# Altium PCB smart_mask_v_2_0.PcbDoc (continued)
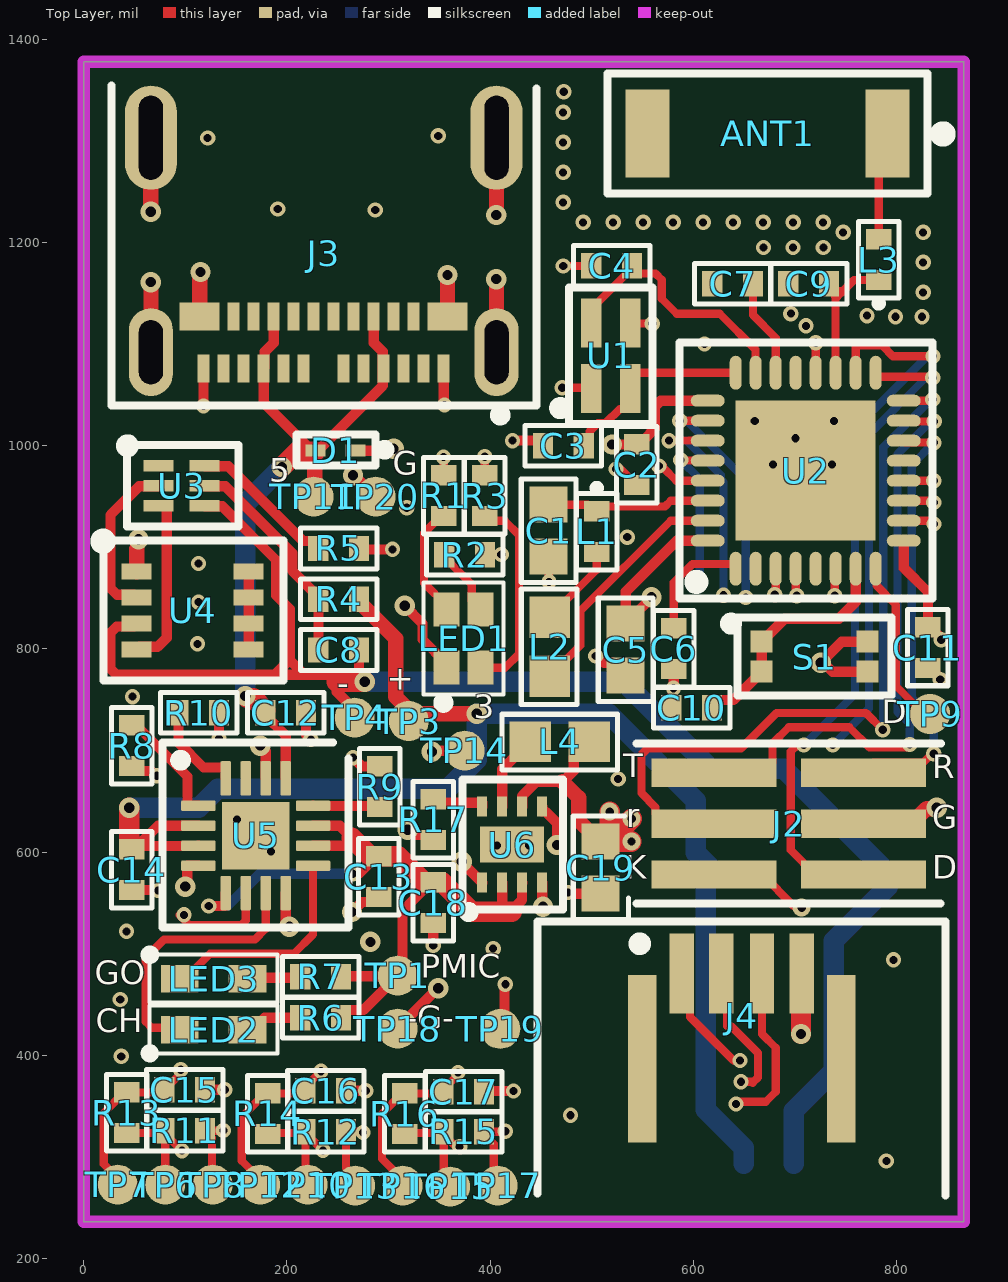
[diagram p0: Top Layer view]
## Footprints (in the part's own frame and the unit in brackets; to place one, negate y for a bottom-side part, rotate by r counter-clockwise, add the part's x,y. Pads: shape width x height; smd on the part's side, far side on the other; paste and mask are expansions set on the pad) (continued)
  rect 1x0.7 smd: B1(3.1,2.47) B12(-3.1,2.47)
  oval 1.1x2.2 hole 0.6 slot 1.6 at 90 deg: S1(-4.32,3.36) S2(4.32,3.36)
  oval 1.3x2.6 hole 0.6 slot 2.1 at 90 deg: S3(-4.32,-2) S4(4.32,-2)
  silkscreen extent -5.33,-3.3 5.3,5.04, body extent -4.47,-4.24 4.47,3.66, height 3.2
XTAL_32MHz_ABM11W-32.0000MHZ-8-B1U-T3 [mil] "CRYSTAL 32.0000MHZ 8PF SMD"
  rect 48x20 smd paste+0 mask+0: 1(-32.32,-19.19) 2(32.32,-19.19) 3(32.32,19.19) 4(-32.32,19.19)
  silkscreen extent -67,-41 67,55, body extent -42,-30 42,30, height 20

## Part data
ANT1: "RF ANT 2.4GHZ CHIP SOLDER SMD", Manufacturer="Johanson Technology Inc.", Supplier Part Number=712-1600-1-ND, ComponentLink1Description="Manufacturer URL", ComponentLink2Description=Datasheet, LINK=https://www.digikey.com/en/products/detail/johanson-technology-inc/2450AT43F0100E/4824788, Manufacturer Part Number=2450AT43F0100E, Price 1 Unit USD=0.84, Price 1000+ Units USD=0.36, Supplier=Digikey
C1: library part "CAP 1uF 0603", "CAP CER 1UF 10V X5R 0603", Manufacturer="Samsung Electro-Mechanics", Manufacturer Part Number=CL10A105KP8NNNC, Package=0603, Supplier Part Number=1276-1182-1-ND, Voltage Rating=16V, LINK=https://www.digikey.com/product-detail/en/samsung-electro-mechanics/CL10A105KP8NNNC/1276-1182-1-ND/3889268, Supplier=Digikey
C2 C6 C8 C10 C11: library part "CAP 100nF 0402", "CAP CER 0.1UF 16V X7R 0402", Manufacturer="Murata Electronics", Manufacturer Part Number=GRM155R71C104KA88J, Package=0402, Supplier Part Number=490-6328-1-ND, Voltage Rating=16V, LINK=https://www.digikey.com/product-detail/en/murata-electronics/GRM155R71C104KA88J/490-6328-1-ND/3845525, Supplier=Digikey
C3 C4: library part "CAP 12pF 0402", "CAP CER 12PF 50V C0G/NP0 0402", Manufacturer="Murata Electronics", Manufacturer Part Number=GRM1555C1H120JA01J, Package=0402, Supplier Part Number=490-11375-1-ND, Voltage Rating=50v, LINK=https://www.digikey.com/product-detail/en/murata-electronics/GRM1555C1H120JA01J/490-11375-1-ND/5333215, Supplier=Digikey
C5: library part "CAP 4.7uF 0603", "CAP CER 4.7UF 10V X5R 0603", Manufacturer="Samsung Electro-Mechanics", Manufacturer Part Number=CL10A475KP8NNNC, Package=0603, Supplier Part Number=1276-1044-1-ND, Voltage Rating=10V, LINK=https://www.digikey.com/product-detail/en/samsung-electro-mechanics/CL10A475KP8NNNC/1276-1044-1-ND/3889130, Supplier=Digikey
C7: library part "CAP 100pF 0402", "CAP CER 100PF 50V C0G/NP0 0402", Manufacturer="Murata Electronics", Manufacturer Part Number=GRM1555C1H101JA01J, Package=0402, Supplier Part Number=490-7754-1-ND, Voltage Rating=50v, LINK=https://www.digikey.com/product-detail/en/murata-electronics/GRM1555C1H101JA01J/490-7754-1-ND/4358006, Supplier=Digikey
C9: library part "CAP 0.8pF 0402", "CAP CER 0.8PF 50V C0G/NP0 0402", Manufacturer="Murata Electronics", Manufacturer Part Number=GRM1555C1HR80BA01J, Package=0402, Supplier Part Number=490-11411-1-ND, Voltage Rating=50v, LINK=https://www.digikey.com/product-detail/en/murata-electronics/GRM1555C1HR80BA01J/490-11411-1-ND/5333251, Supplier=Digikey
C12: library part "CAP 1uF 0402", "CAP CER 1UF 10V X6S 0402", Manufacturer="Murata Electronics", Manufacturer Part Number=GRM155C81A105KA12D, Package=0402, Supplier Part Number=490-12699-1-ND, Voltage Rating=10V, LINK=https://www.digikey.com/product-detail/en/murata-electronics/GRM155C81A105KA12D/490-12699-1-ND/5797668, Supplier=Digikey
C13 C14: library part "CAP 4.7uF 0402", "CAP CER 4.7UF 6.3V X5R 0402", Manufacturer="Murata Electronics", Manufacturer Part Number=GRM155R60J475ME47D, Package=0402, Supplier Part Number=490-5915-1-ND, Voltage Rating=6.3V, LINK=https://www.digikey.com/product-detail/en/murata-electronics/GRM155R60J475ME47D/490-5915-1-ND/3719860, Supplier=Digikey
C15 C16 C17: library part "CAP 150nF 0402", "CAP CER 150nF 16V X7R 0402", Manufacturer="Murata Electronics", Manufacturer Part Number=GRM155R60J154KE01D, Package=0402, Supplier Part Number=490-6290-1-ND, Voltage Rating=16V, LINK=https://www.digikey.com/en/products/detail/murata-electronics/GRM155R60J154KE01D/2610822, Supplier=Digikey
C18: library part "CAP 10uF 0402", "CAP CER 10UF 4V X5R 0402", Manufacturer="Murata Electronics", Manufacturer Part Number=GRM155R60G106ME44D, Package=0402, Supplier Part Number=490-10693-1-ND, Voltage Rating=4V, LINK=https://www.digikey.com/product-detail/en/murata-electronics/GRM155R60G106ME44D/490-10693-1-ND/5251412, Supplier=Digikey
C19: library part "CAP 22uF 0603", "CAP CER 22UF 6.3V X5R 0603", Manufacturer="Murata Electronics", Manufacturer Part Number=GRM188R60J226MEA0D, Package=0603, Supplier Part Number=490-7611-1-ND, Voltage Rating=6.3V, LINK=https://www.digikey.com/product-detail/en/murata-electronics/GRM188R60J226MEA0D/490-7611-1-ND/4280544, Supplier=Digikey
D1: "TVS DIODE 5V SOD923", Manufacturer="ON Semiconductor", Supplier Part Number=ESD9B5.0ST5GOSCT-ND, ComponentLink1Description="Manufacturer URL", ComponentLink2Description=Datasheet, LINK=https://www.digikey.com/product-detail/en/on-semiconductor/ESD9B5-0ST5G/ESD9B5-0ST5GOSCT-ND/1646497, Manufacturer Part Number=ESD9B5.0ST5G, Price 1 Unit USD=0.13, Price 1000+ Units USD=0.02, Supplier=Digikey
J1: "JST Picoblade CONN HEADER SMD R/A 2POS 1.25MM", Manufacturer=Molex, LINK=https://www.digikey.com/en/products/detail/molex/0532610271/699094, Manufacturer Part Number=0532610271, Price 1 Unit USD=0.47, Price 1000+ Units USD=0.21, Supplier=Digikey, Supplier Part Number=0532610271
J2: "CONN HEADER SMD 6POS 1.27MM", Manufacturer="Samtec Inc.", Supplier Part Number=SAM14930CT-ND, zz Current Rating Per Pin=3.4A, LINK=https://www.digikey.com/en/products/detail/samtec-inc/FTS-103-01-F-DV-TR/2649936, Manufacturer Part Number=FTS-103-01-F-DV-TR, Price 1 Unit USD=1.39, Price 1000+ Units USD=0.78, Supplier=Digikey
J3: "USB-C CONN RCP USB3.1 TYPEC 24P SMD RA", Manufacturer=Molex, Supplier Part Number=WM12856CT-ND, zz Current Rating Per Pin="0.25A, 1A, 5A", LINK=https://www.digikey.com/en/products/detail/molex/1054500101/5843890, Manufacturer Part Number=1054500101, Price 1 Unit USD=1.10, Price 1000+ Units USD=2.19, Supplier=Digikey
J4: "CONN FFC FPC TOP 4POS 1.00MM R/A", Manufacturer="Amphenol ICC (FCI)", Supplier Part Number=609-1884-1-ND, LINK=https://www.digikey.com/en/products/detail/amphenol-icc-fci/SFW4R-2STE1LF/1002199, Manufacturer Part Number=SFW4R-2STE1LF, Price 1 Unit USD=0.78, Price 1000+ Units USD=0.40, Supplier=Digikey
L1: "FIXED IND 15NH 450MA 320 MOHM", Manufacturer="Murata Electronics", Manufacturer Part Number=LQG15HS15NJ02D, Package=0603, Supplier Part Number=490-2625-1-ND, Tolerance=5%, LINK=https://www.digikey.com/product-detail/en/murata-electronics/LQG15HS15NJ02D/490-2625-1-ND/662905, Supplier=Digikey
L2: "FIXED IND 10UH 50MA 900 MOHM SMD", Manufacturer="Murata Electronics", Manufacturer Part Number=LQM18FN100M00D, Package=0603, Supplier Part Number=490-4025-1-ND, Tolerance=20%, LINK=https://www.digikey.com/product-detail/en/murata-electronics/LQM18FN100M00D/490-4025-1-ND/1016285, Supplier=Digikey
L3: "FIXED IND 3.9NH 750MA 180 MOHM", Manufacturer="Murata Electronics", Manufacturer Part Number=LQG15HS3N9S02D, Package=0603, Supplier Part Number=490-2617-1-ND, Tolerance=5%, LINK=https://www.digikey.com/product-detail/en/murata-electronics/LQG15HS3N9S02D/490-2617-1-ND/662897, Supplier=Digikey
L4: "2.2UH20% 1.05A(MAX) / 1.15A(TYP.", Manufacturer="Murata Electronics", Manufacturer Part Number=LQM18PN2R2MGHD, Package=0603, Supplier Part Number=490-14478-6-ND, Tolerance=20%, LINK=https://www.digikey.co.uk/product-detail/en/murata-electronics/LQM18PN2R2MGHD/490-14478-6-ND/6607082, Supplier=Digikey
LED1: "LED RGB DIFFUSED CHIP SMD / LED Tri-Color Blue/Green/Red, 5 V, -20 to 80 degC, 4-Pin SMD, RoHS, Tape and Reel", Manufacturer="Lite-On Inc.", Manufacturer Part Number=LTST-C19HE1WT, Supplier Part Number=160-2162-1-ND, zz Package=0606, zz Power Supply Rating="2.1V Red, 3.35V Green, 3.35V Blue", LINK=https://www.digikey.com/product-detail/en/lite-on-inc/LTST-C19HE1WT/160-2162-1-ND/4866310, Price 1 Unit USD=0.56, Price 1000+ Units USD=0.13, Supplier=Digikey
LED2 LED3: "LED RED CLEAR CHIP SMD", Manufacturer="Lite-On Inc.", Supplier Part Number=160-1181-1-ND, zz Package="0603 Lite-On", LINK=https://www.digikey.co.uk/product-detail/en/lite-on-inc/LTST-C190CKT/160-1181-1-ND/269253?utm_source=snapeda&utm_medium=aggregator&utm_campaign=symbol, Manufacturer Part Number=LTST-C190CKT, Price 1 Unit USD=0.05, Price 1000+ Units USD=0.31, Supplier=Digikey
R1 R2 R3 R6 R7: library part "RES 470R 0402", "RES SMD 470 OHM 1% 1/16W 0402", Manufacturer=Yageo, Manufacturer Part Number=RC0402FR-07470RL, Package=0402, Power=1/16W, Supplier Part Number=311-470LRCT-ND, Tolerance=1%, LINK=https://www.digikey.com/product-detail/en/yageo/RC0402FR-07470RL/311-470LRCT-ND/729566, Supplier=Digikey
R4: library part "RES 330R 0402", "RES SMD 330 OHM 1% 1/16W 0402", Manufacturer=Yageo, Manufacturer Part Number=RC0402FR-07330RL, Package=0402, Power=1/16W, Supplier Part Number=311-330LRCT-ND, Tolerance=1%, LINK=https://www.digikey.co.uk/product-detail/en/yageo/RC0402FR-07330RL/311-330LRCT-ND/729541, Supplier=Digikey
R5: library part "RES 2.2k 0402", "RES SMD 2.2K OHM 1% 1/16W 0402", Manufacturer=Yageo, Manufacturer Part Number=RC0402FR-072K2L, Package=0402, Power=1/16W, Supplier Part Number=311-2.20KLRCT-ND, Tolerance=1%, LINK=https://www.digikey.co.uk/product-detail/en/yageo/RC0402FR-072K2L/311-2-20KLRCT-ND/729500, Supplier=Digikey
R8: library part "RES 10k 0402", "RES SMD 10K OHM 1% 1/16W 0402", Manufacturer=Yageo, Manufacturer Part Number=RC0402FR-0710KL, Package=0402, Power=1/16W, Supplier Part Number=311-10.0KLRCT-ND, Tolerance=1%, LINK=https://www.digikey.com/product-detail/en/yageo/RC0402FR-0710KL/311-10-0KLRCT-ND/729470, Supplier=Digikey
R9: library part "RES 3k 0402", "RES SMD 10K OHM 1% 1/16W 0402", Manufacturer=Yageo, Manufacturer Part Number=RC0402FR-073KL, Package=0402, Power=1/16W, Supplier Part Number=311-3KLRCT-ND, Tolerance=1%, LINK=https://www.digikey.co.uk/product-detail/en/yageo/RC0402FR-073KL/311-3KLRCT-ND/2827904, Supplier=Digikey
R10: library part "RES 4.7k 0402", "RES SMD 4.7K OHM 1% 1/16W 0402", Manufacturer=Yageo, Manufacturer Part Number=RT0402FRE074K7L, Power=1/16W, Supplier Part Number=YAG3347CT-ND, Tolerance=1%, LINK=https://www.digikey.co.uk/product-detail/en/yageo/RT0402FRE074K7L/YAG3347CT-ND/5418052, Supplier=Digikey
R11 R12 R15: library part "RES DNI 0402", "DNI (Do Not Install)"
R13 R14 R16 R17: library part "RES 100k 0402", "RES SMD 100K OHM 1% 1/16W 0402", Manufacturer=Yageo, Manufacturer Part Number=RC0402FR-07100KL, Power=1/16W, Supplier Part Number=311-100KLRCT-ND, Tolerance=1%, LINK=https://www.digikey.co.uk/product-detail/en/yageo/RC0402FR-07100KL/311-100KLRCT-ND/729473, Supplier=Digikey
S1: "SWITCH TACTILE SPST-NO 0.02A 15V", Manufacturer="Panasonic Electronic Components", Supplier Part Number=P19888CT-ND, LINK=https://www.digikey.com/en/products/detail/panasonic-electronic-components/EVP-BB2A9B000/6212409, Manufacturer Part Number=EVP-BB2A9B000, Price 1 Unit USD=0.52, Price 1000+ Units USD=0.23, Supplier=Digikey
TP1 TP3 TP4 TP6 TP7 TP8 TP9 TP10 TP11 TP12 TP13 TP14 TP15 TP16 TP17 TP18 TP19 TP20: "Test point 1mm diameter", ComponentLink1Description="Manufacturer URL", ComponentLink2Description=Datasheet, Supplier=Digikey
TP2 TP5: "Test point 2mm diameter", ComponentLink1Description="Manufacturer URL", ComponentLink2Description=Datasheet, Supplier=Digikey
U1: "CRYSTAL 32.0000MHZ 8PF SMD", Manufacturer="Abracon LLC", Supplier Part Number=535-13899-1-ND, ComponentLink1Description="Manufacturer URL", ComponentLink2Description=Datasheet, LINK=https://www.digikey.com/product-detail/en/abracon-llc/ABM11W-32-0000MHZ-8-B1U-T3/535-13899-1-ND/7173084, Manufacturer Part Number=ABM11W-32.0000MHZ-8-B1U-T3, Price 1 Unit USD=0.75, Price 1000+ Units USD=0.43, Supplier=Digikey
U2: "NRF52811 Nordic Bluetooth 5.1 chip 32 pins QFN32", Manufacturer="Nordic Semiconductor", Manufacturer Part Number=949-NRF52811-QCAA-R, Supplier Part Number=nRF52811-QCAA-R, ComponentLink1Description="Manufacturer URL", ComponentLink2Description=Datasheet, LINK=https://eu.mouser.com/ProductDetail/Nordic-Semiconductor/nRF52811-QCAA-R?qs=gZXFycFWdAOUhCgQu7%252B6sA%3D%3D, Price 1 Unit USD=3.29, Price 1000+ Units USD=1.64, Supplier=Mouser
U3: "BATT LITHIUM BATT PROTECT 6-SON", Manufacturer="Texas Instruments", Supplier Part Number=296-43985-1-ND, ComponentLink1Description="Manufacturer URL", ComponentLink2Description=Datasheet, LINK=https://www.digikey.com/product-detail/en/texas-instruments/BQ29700DSER/296-43985-1-ND/5973209, Manufacturer Part Number=BQ29700DSER, Price 1 Unit USD=0.56, Price 1000+ Units USD=0.21, Supplier=Digikey
U4: "MOSFET 2N-CH 24V 14A SOT-28", Manufacturer="ON Semiconductor", Supplier Part Number=ECH8693R-TL-WOSCT-ND, ComponentLink1Description="Manufacturer URL", ComponentLink2Description=Datasheet, LINK=https://www.digikey.com/product-detail/en/on-semiconductor/ECH8693R-TL-W/ECH8693R-TL-WOSCT-ND/5969317, Manufacturer Part Number=ECH8693R-TL-W, Price 1 Unit USD=0.20, Price 1000+ Units USD=0.53, Supplier=Digikey
U5: "BATT LI-ION CHARGE MGMT 16-QFN", Manufacturer="Texas Instruments", Supplier Part Number=296-38873-1-ND, ComponentLink1Description="Manufacturer URL", ComponentLink2Description=Datasheet, LINK=https://www.digikey.com/product-detail/en/texas-instruments/BQ24074RGTR/296-38873-1-ND/5142985, Manufacturer Part Number=BQ24074RGTR, Price 1 Unit USD=2.21, Price 1000+ Units USD=1.01, Supplier=Digikey
U6: "REG BUCK 3.3V 500MA 8WSON", Manufacturer="Texas Instruments", Supplier Part Number=296-39449-1-ND, ComponentLink1Description="Manufacturer URL", ComponentLink2Description=Datasheet, LINK=https://www.digikey.com/product-detail/en/texas-instruments/TPS62172DSGR/296-39449-1-ND/5143397, Manufacturer Part Number=TPS62172DSGR, Price 1 Unit USD=1.29, Price 1000+ Units USD=0.54, Supplier=Digikey

## Via types
v1: diameter 15, hole 8, Top Layer to Bottom Layer, tented both sides, 120 vias
v2: diameter 20, hole 10, Top Layer to Bottom Layer, tented both sides, 31 vias
v3: diameter 17.72, hole 8, Top Layer to Bottom Layer, tented both sides, 4 vias

## Nets (pads, with @x,y where several pads share a name; then routed paths per layer and width w, separated by ;. In a path a pad name is that pad's centre, name@x,y a point inside that pad or via, vN(x,y) a via of type N, cw(c..) or ccw(c..) an arc to the next point about the centre after c; other vN are vias at no path point)
+3V3: C2.2 C5.1 C11.1 C19.2 L4.2 LED1.4 R17.2 TP14.1 U2.9 U2.25 U2.32 U6.6 | length 825.3
  Top Layer w10: v2(315.94,842.52) 315.94,842.35 333.49,824.8 333.49,809.23 357.28,785.43 LED1.4 ; v2(318.9,622.05) 321.6,622.05 326.76,616.89 338.96,616.89 R17.2 ; v2(342.65,698.8) 343.65,699.8 TP14.1 ; U6.6 431.64,644.76 431.64,655.4 445.53,669.29 471.46,669.29 482.28,680.12 482.28,693.58 497.36,708.66 L4.2 ; C19.2@507.87,610.24 C19.2 ; v2(520.02,1001.19) 520.14,1001.3 C2.2 546.79,1001.3 557.5,1012.01 557.5,1012.66 562.01,1017.17 562.01,1038.43 567.87,1044.29 U2.25 ; v2(558.88,850.99) 558.88,850.22 C5.1 533.46,856.3 583.66,906.5 U2.32 ; U2.9 807.09,879.91 831,856 831,821.54 C11.1 833.21,821.24 843.04,811.41 843.04,809.96 v1(844,809)
  Top Layer w15: 471.46,669.29 487.2,653.54 487.2,630.91 C19.2@507.87,610.24
  Top Layer w20: C19.2 516.73,610.24 v3(539.37,632.87) ; C19.2@509.84,610.24 517.72,618.11 v3(517.72,639.76) ; C19.2@517.72,610.24 538.81,610.24 v3(539.12,610.55)
+5VUSB: C12.2 D1.2 J3.A4 J3.A9 J3.B4 J3.B9 TP11.1 U5.13 | length 742.2
  Top Layer w10: v2(159,753.61) v2@160.91,751.69 ; C12.2@178.82,739.7 C12.2 178.82,734.7 198.82,714.7 U5.13 ; J3.B4 187.01,1101.38 178.07,1092.45 178.07,1076.89 J3.A9 177.17,1042.32 D1.2@223.5,995.98 ; TP11.1 TP11.1@227.36,950.79 ; D1.2@230.31,995.08 294.37,1059.13 294.37,1075.08 J3.A4 294.37,1076.89 294.37,1092.45 285.43,1101.38 J3.B9
  Top Layer w15: TP11.1@227.36,950.79 D1.2@227.36,994.17
  Top Layer w20: v2@160.91,751.69 166.83,751.69 C12.2@178.82,739.7 ; v2(195,979) 210.17,994.17 D1.2@227.36,994.17
  Bottom Layer w20: v2(159,753.61) 159,943 v2(195,979)
+GND: C1.1 C2.1 C3.2 C4.2 C5.2 C6.2 C7.2 C9.1 C10.1 C11.2 C12.1 C13.1 C14.1 C15.2 C16.2 C17.2 C18.1 C19.1 D1.1 J2.4 J3.A1 J3.A12 J3.B1 J3.B12 J3.S1 J3.S2 J3.S3 J3.S4 J4.4 R5.1 R8.2 R9.1 R10.1 S1.B1 S1.B2 TP18.1 TP19.1 TP20.1 U1.2 U1.4 U2.20 U2.29 U2.33 U4.1 U5.4 U5.6 U5.8 U5.14 U5.17 U6.1 U6.4 U6.5 U6.9 | length 1892.8
  Top Layer w8: v1(98.68,538.24) 94.1,538.24 104.34,528 ; U5.6 159.45,532.69 154.76,528 104.34,528 ; C1.1 457.68,866.32 v1(458,866) ; v1(471,1057) 498.77,1057 U1.4 ; v1(472,1177) 499.52,1177 C4.2 ; v1(524,977) 526.59,977 527.59,978 C2.1 ; U1.2 538.67,1120.13 v1(559.63,1120.13) ; v1(566,980) 568.84,980 569.84,981 570.04,980.8 570.04,978.68 583.17,965.55 U2.29 ; U2.20 720.62,1072 720.47,1072.15 v1(720.47,1101.38) ; 104.34,528 96.39,535.95 104.34,528
  Top Layer w10: C14.1 72.62,562.68 v1(73.09,562.21) ; R8.2 52.24,679.72 66.78,679.72 71.31,675.2 v1(71.85,675.2) ; v2@52.15,898.46 52.15,906.15 v2(54,908) ; v2(100,566) 100,568.71 101.91,570.62 101.91,586.5 102.03,586.61 U5.4 ; v1(118,1039) 118,1075.87 J3.A12 ; C15.2 v1(138.78,366.14) ; v1(133.11,711.88) 133.19,711.96 R10.1 ; v2(173.8,704.85) 179.13,699.51 U5.14 ; U5.8 198.82,530.15 v2(202.42,526.55) ; C12.1 218.82,715.58 v1(223.52,710.88) ; C16.2 v1(277.56,365.16) ; v2(264,541) 273.79,550.79 285.35,550.79 C13.1 ; v1(265,693) 273.61,684.39 R9.1 ; v2(265,971) 266.2,971 TP20.1 ; D1.1 303.08,995.08 v2(305,997) ; R5.1 272.21,897.64 272.57,898 v1(304,898) ; TP18.1 309.06,426.62 348.44,466 v2(349,466) ; v1@343.98,508.02 C18.1 ; J3.A1 354.33,1040.67 v1(355,1040) ; v2(372.14,590.66) 372.14,589.93 U6.1 ; C17.2 394.84,365 v1(423,365) ; TP19.1 414.04,430.04 414.04,469.04 v1(415,470) ; v1(422,1005) 447,1005 C3.2 ; U6.4 451.25,546.99 v2(452.07,546.17) ; U6.5 451.25,639.92 451.33,639.84 454.65,639.84 465.72,628.77 v2(465.72,607.06) ; v1(476.67,560.24) 477.86,559.06 C19.1 ; v1(504,793) 505.35,793 512.01,786.34 520.75,786.34 C5.2 ; C10.1 579.63,743.34 579.63,760.31 v1(580.59,761.26) 580.71,761.38 C6.2 ; S1.B2 736.96,777.56 728.1,786.42 v2(725.39,786.42) 746.06,807.09 S1.B1 ; C11.2 833.21,781.24 842.04,772.41 842.04,770.96 v1(843,770)
  Top Layer w15: U4.1 v2@52.15,898.46 ; v2(65.94,1230.32) 66.04,1230.41 66.04,1303.05 J3.S4 ; v2(66,1161) 66.14,1160.86 J3.S2 ; J3.B1 114.17,1170.17 v2(115,1171) ; v2(358,1168) 358,1127.43 J3.B12 ; v2(406,1164) 406.3,1163.7 J3.S1 ; v2(406,1227) 406.3,1227.3 J3.S3 ; J2.4 814.9,627.95 829.69,642.74 838.61,642.74 v2(839.57,643.7)
  Top Layer w20: v2(706,421) 706,479.94 J4.4
  other v1: 790,296 479,341 37,399 36,455 797,494 403,505 344,508 42,522 184.35,600.6 406.79,606.5 438.28,606.5 150.88,632.09 526,672 48,753 112,805 113,846 113,884 535,910 318,939 678.47,981.38 736.47,981.38 700.47,1007.38 660.47,1024.38 738.47,1024.38 611,1100 711,1118 799,1127 825,1127 771,1128 696,1130 826.24,1150.95 826.24,1180.48 669,1195 698,1195 728,1195 747.5,1210.01 826.24,1210.01 491.6,1219.85 521.13,1219.85 550.65,1219.85 580.18,1219.85 609.71,1219.85 639.24,1219.85 668.76,1219.85 698.29,1219.85 727.82,1219.85 287,1232 191,1233 471.91,1239.54 471.91,1269.06 471.91,1298.59 122,1303 349,1305 471.91,1328.12 472.44,1348.43
  other v2: 282.14,511.66
+VPMIC: C13.2 C18.2 R6.2 R7.2 TP1.1 U5.5 U5.10 U5.11 U6.2 U6.3 | length 789.2
  Top Layer w10: v1(123,547) 138.93,547 139.76,547.83 U5.5 ; U5.10 255.91,606.3 263.78,614.17 251.97,625.98 U5.11 ; R6.2 253.27,439.51 258.27,444.51 275.22,444.51 TP1.1@308.56,477.85 ; R7.2 253.76,477.85 TP1.1@308.56,477.85 ; v1(264.76,578.74) 265.15,579.12 271.19,579.12 287.85,595.79 C13.2 ; C18.2 341.46,570.2 313.85,542.59 313.85,483.15 TP1.1 TP1.1@308.56,477.85 ; U6.2 411.88,546.15 419.67,538.37 ; 419.67,541.32 431.48,553.14 431.48,569.8 U6.3
  Top Layer w20: 263.78,614.17 282.17,595.79 C13.2@287.85,595.79 ; C13.2 309.72,595.79 335.32,570.2 C18.2@341.46,570.2 ; C18.2 353.03,570.2 381.89,541.34 411.88,541.34 421.26,541.34
  Bottom Layer w10: v1(123,547) 141.49,547 173.23,578.74 v1(264.76,578.74)
ANTENNA: ANT1.1 L3.2 | length 86.3
  Top Layer w8: L3.2 ANT1.1@782.48,1289.37
BAT+: C14.2 J1.1 R4.2 TP2.1 TP3.1 U5.2 U5.3 | length 1430.8
  Top Layer w10: U5.3 112.68,606.18 C14.2@53.25,606.18 ; U5.2 73.05,625.98 C14.2@53.25,606.18 ; C14.2@53.25,606.18 49.74,602.68 C14.2 50.75,606.18 C14.2@53.25,606.18
  Top Layer w15: R4.2 270.98,846.42 307.09,810.31 307.09,752.83 323.82,736.09 323.82,732.28 327.76,736.22 v2(386.81,736.22)
  Top Layer w20: v2(44.89,643.7) 44.89,602.68 C14.2
  Bottom Layer w20: v2(44.89,643.7) 113.19,643.7 131.89,662.4 358.27,662.4 386.81,690.94 v2(386.81,736.22) 516.73,736.22 602.29,650.66 602.29,599.48 TP2.1 612.2,571.85 612.2,346.46 649.61,309.06 J1.1
BAT-: C8.1 J1.2 TP4.1 TP5.1 U3.4 U4.3 | length 1544.1
  Top Layer w10: U4.3 49.28,821.93 32.24,821.93 26.39,816.07 26.39,780.46 32.24,774.61 187.99,774.61 ; U3.4 119.57,940.37 136.4,940.37 189.3,887.47 189.3,852.55 202.86,838.98 202.86,789.03 217.29,774.61 ; 202.86,789.48 187.99,774.61 ; TP4.1 266.73,740.23 249.12,757.84 249.12,767.72 242.23,774.61 217.29,774.61 ; v2@270.98,773.31 C8.1 ; 187.99,774.61 217.29,774.61
  Top Layer w20: 249.12,767.72 v2(276.57,767.72)
  Bottom Layer w20: v2(276.57,767.72) 531.5,767.72 617.13,682.09 688.98,682.09 TP5.1 791.34,565.99 738.19,512.84 738.19,384.84 698.82,345.47 J1.2
BUTTON: C10.2 S1.A1 S1.A2 U2.7 | length 235.9
  Top Layer w10: C10.2 618.43,744.63 623.43,749.63 639.39,749.63 S1.A2 S1.A1 689.96,829.72 743.11,829.72 759.84,846.46 U2.7
CHAR_CHG: LED3.C U5.9 | length 204.7
  Top Layer w8: LED3.C@102.56,478.35 124.21,500 206.69,500 225.79,519.09 U5.9@225.79,583.66
CHAR_PGOOD: LED2.C U5.7 | length 261.1
  Top Layer w8: LED2.C@94.69,427.17 66.88,427.17 61.02,433.02 61.02,496.06 78.96,514 168.53,514 179.13,524.61 U5.7@179.13,556.69
DEBUG: TP9.1 U2.8 | length 165.1
  Top Layer w8: U2.8 780.26,878.21 780.26,862.46 799.21,843.5 799.21,763.78 TP9.1@828.74,734.25
LED_B: R3.2 U2.12 | length 511.6
  Top Layer w8: R3.2 v1(394.69,989.17) ; U2.12 v1(836.61,965.55)
  Power Layer w8: v1(394.69,989.17) 394.69,979.33 415.93,958.08 813.4,958.08 820.87,965.55 v1(836.61,965.55)
LED_G: R2.2 U2.10 | length 500
  Top Layer w8: R2.2 410.72,892.72 v1(411,893) ; U2.10 807.15,926.12 833.88,926.12 v1(837,923)
  Power Layer w8: v1(411,893) 411,911 427.5,927.5 816.59,927.5 817.51,926.58 833.42,926.58 v1(837,923)
LED_R: R1.2 U2.11 | length 549.2
  Top Layer w8: v1(354.17,988.76) 354.33,988.6 R1.2 ; U2.11 833.73,945.87 835.52,944.08 v1(836.6,944.08)
  Power Layer w8: v1(354.17,988.76) 398.85,944.08 v1(836.6,944.08)
NetC1_2: C1.2 L1.1 U2.30 | length 163.6
  Top Layer w8: C1.2 495.85,941.93 502.42,935.35 L1.1 509.75,940.18 572.07,940.18 577.75,945.87 U2.30
NetC3_1: C3.1 U1.1 U2.24 | length 198
  Top Layer w8: C3.1 498,1006 498,1014 506.26,1022.26 513.65,1022.26 527.65,1036.26 531.89,1036.26 537.89,1042.26 537.89,1065.85 543.89,1071.85 U2.24
NetC4_1: C4.1 U1.3 U2.23 | length 259.2
  Top Layer w8: U1.3 499.51,1134.91 504.51,1139.91 504.93,1139.91 539.68,1174.67 544.68,1169.67 562.62,1169.67 568.9,1163.39 568.9,1144.69 583.66,1129.92 625.98,1129.92 661.07,1094.84 661.07,1072.2 U2.23
NetC6_1: C6.1 U2.1 | length 115.7
  Top Layer w8: C6.1 580.71,865.3 599.05,883.64 637.03,883.64 U2.1
NetC7_1: C7.1 U2.22 | length 96.8
  Top Layer w8: C7.1 658.78,1128.49 681.1,1106.17 U2.22
NetC8_2: C8.2 R4.1 U3.5 | length 219.5
  Top Layer w10: U3.5 119.57,960.06 139.34,960.06 205.3,894.1 205.3,877.1 230.98,851.42 R4.1 C8.2
NetC9_2: C9.2 L3.1 U2.19 | length 157.4
  Top Layer w8: U2.19 740,1072.01 740,1146.26 739.58,1146.68 ; L3.1 758.07,1163.07 747.31,1152.31 ; 739.58,1146.68 741.68,1146.68 747.31,1152.31 ; 739.58,1146.68 C9.2@739.58,1152.31 ; C9.2@739.58,1152.31 739.58,1153.45 C9.2 733.58,1158.31 C9.2@739.58,1152.31 ; C9.2@739.58,1152.31 747.31,1152.31
NetL1_2: L1.2 L2.1 | length 83.2
  Top Layer w8: L2.1 458.66,831.69 504.92,877.95 L1.2
NetL2_2: L2.2 U2.31 | length 238.9
  Top Layer w8: L2.2 458.66,773.43 488.74,803.5 488.74,837.17 577.76,926.18 U2.31
NetL4_1: L4.1 U6.7 | length 75.6
  Top Layer w10: U6.7 411.88,681.56 438.98,708.66 L4.1
NetLED1_1: LED1.1 R1.1 | length 110.9
  Top Layer w8: R1.1 351.83,930.79 335,913.96 335,864.8 357.28,842.52 LED1.1
NetLED1_2: LED1.2 R2.1 | length 68.9
  Top Layer w8: R2.1 355,890.22 381.95,863.26 381.95,847.38 LED1.2
NetLED1_3: LED1.3 R3.1 | length 201.9
  Top Layer w8: LED1.3 414.8,781.5 428.5,795.19 428.5,912.05 414.37,926.18 399.29,926.18 R3.1
NetLED2_A: LED2.A R6.1 | length 56.9
  Top Layer w10: LED2.A 166.14,425.2 177.95,437.01 R6.1
NetLED3_A: LED3.A R7.1 | length 52.9
  Top Layer w10: LED3.A 162.2,476.38 212.28,476.38 R7.1
NetR5_2: R5.2 U3.6 | length 147.1
  Top Layer w10: U3.6 119.57,979.74 142.29,979.74 215.66,906.37 225.98,906.37 230.98,901.37 R5.2
NetR8_1: R8.1 U5.1 | length 113.1
  Top Layer w10: R8.1@49.21,724.72 54.21,719.72 56.85,719.72 102.15,674.43 102.15,645.79 102.26,645.67 U5.1
NetR9_2: R9.2 U5.12 | length 66.1
  Top Layer w10: U5.12 225.91,645.55 290.16,645.55 R9.2
NetR10_2: R10.2 U5.16 | length 96.6
  Top Layer w10: R10.2 93.19,707.99 117.89,683.29 139.65,683.29 139.76,683.17 U5.16
NetR17_1: R17.1 U6.8 | length 53.5
  Top Layer w10: R17.1 347.23,648.62 392.11,648.62 392.19,648.54 U6.8
NetU3_2: U3.2 U4.2 | length 161.1
  Top Layer w10: U4.2 49.28,853.27 32.73,853.27 26.39,859.61 26.39,931.9 54.54,960.06 73.28,960.06 U3.2
NetU3_3: U3.3 U4.4 | length 171.9
  Top Layer w10: U4.4 55.02,802.09 72.76,802.09 81.69,811.02 81.69,940.37 81.18,940.88 U3.3
NetU4_5: U4.5 U4.6 U4.7 U4.8 | length 76.8
  Top Layer w10: U4.5 U4.6 U4.7 U4.8
RESET_N_NRF: J2.3 U2.16 | length 762.5
  Top Layer w8: J2.3 572.9,627.95 562.9,637.95 562.9,644.1 548.9,658.1 548.9,696.09 554.76,701.95 646.83,701.95 681.83,736.95 769.94,736.95 v1(786.42,720.47) ; U2.16 834.31,1044.29 v1(835.63,1045.61)
  Bottom Layer w8: v1(786.42,720.47) 787,721.06 787,998.72 833.89,1045.61 v1(835.63,1045.61)
Sensor_1_ADC: C15.1 R13.2 TP7.1 U2.28 | length 1188
  Top Layer w8: TP7.1 33.46,279.23 19.68,293.01 19.68,343.37 39.82,363.5 R13.2 76.77,363.5 C15.1 95.54,382.27 v1(95.54,385.8) ; v1(587.54,985.93) 587.89,985.58 613.83,985.58 U2.28
  Power Layer w8: v1(95.54,385.8) 199.8,385.8 256.5,442.5 433.64,442.5 612.2,621.06 612.2,858.34 606.3,864.25 v1(606.3,866.14)
  Bottom Layer w8: v1(587.54,985.93) 606.3,967.17 v1(606.3,866.14)
Sensor_1_input: J4.1 R11.1 R13.1 TP6.1 | length 915.5
  Top Layer w8: R13.1 78.74,323.5 R11.1@79.41,324.17 ; TP6.1 R11.1@80.22,322.66 ; v1(96.73,306.15) R11.1@80.22,322.66 ; J4.1 596.64,472.58 596.64,437.81 639.45,395 v1(646,395) ; R11.1@79.41,324.17 79.41,323.46 R11.1@80.22,322.66 ; R11.1@79.41,324.17 R11.1@80.22,324.98 ; R11.1@79.41,324.17 R11.1 R11.1@80.22,324.98 ; R11.1@80.22,322.66 R11.1@80.22,324.98
  Power Layer w8: v1(96.73,306.15) 197.79,306.15 225.44,278.5 613.05,278.5 673.5,338.95 673.5,372.25 650.75,395 v1(646,395)
Sensor_1_pwr: R11.2 TP8.1 U2.26 | length 1173.4
  Top Layer w8: TP8.1 126.41,273.2 126.41,318.79 R11.2 137.12,325.79 v1(137.42,326.09) ; v1(586.61,1024.61) U2.26
  Power Layer w8: v1(137.42,326.09) 246.09,326.09 261.5,341.5 281.7,341.5 354.7,414.5 446.1,414.5 646.65,615.06 646.65,843.69 651.57,848.61 v1(651.57,850.51)
  Bottom Layer w8: v1(586.61,1024.61) 593.41,1024.61 650.59,967.43 651.57,966.44 v1(651.57,850.51)
Sensor_2_ADC: C16.1 R14.2 TP12.1 U2.27 | length 1126.1
  Top Layer w8: TP12.1 173.72,278.05 155.51,296.26 155.51,339.43 178.6,362.52 R14.2 215.55,362.52 C16.1 218.19,368.83 v1(233.66,384.3) ; v1(576,1005) 614.09,1005 U2.27
  Power Layer w8: v1(233.66,384.3) 304.3,384.3 348.5,428.5 440.3,428.5 632.65,620.85 632.65,844.98 631.04,846.59 631.04,851.54 v1(629.7,852.88)
  Bottom Layer w8: v1(576,1005) 593.22,1005 626.97,971.25 626.97,967.19 629.7,964.45 v1(629.7,852.88)
Sensor_2_input: J4.2 R12.1 R14.1 TP10.1 | length 740
  Top Layer w8: R14.1 182.24,323.66 217.05,323.66 R12.1 R12.1@218.19,323.76 ; TP10.1 218.19,274.92 R12.1@218.19,323.76 ; v1(235.48,306.48) R12.1@218.19,323.76 ; J4.2 633.16,475.06 633.16,428.85 636.9,428.85 663.5,402.25 663.5,378.07 658.48,373.05 657.53,374 v1(647,374)
  Power Layer w8: v1(235.48,306.48) 249.45,292.5 607.25,292.5 659.5,344.75 659.5,361.5 v1(647,374)
Sensor_2_pwr: R12.2 TP13.1 U2.3 | length 856.1
  Top Layer w8: TP13.1 267.22,280.14 258.19,289.18 R12.2 274.2,324.8 v1(275,324) ; v1(680.12,853.35) 680.35,853.35 681.1,854.1 U2.3
  Power Layer w8: v1(275,324) 284,324 360.5,400.5 451.9,400.5 662.94,611.55 662.94,836.17 v1(680.12,853.35)
Sensor_3_ADC: C17.1 R16.2 TP16.1 U2.4 | length 858.4
  Top Layer w8: TP16.1 313.98,277.64 293.44,298.17 293.44,342.52 313.44,362.52 R16.2 352.36,362.52 C17.1 354.02,366.67 367.63,380.29 367.63,382.23 v1(368.4,383) ; U2.4 700.79,853.35 v1(701.77,852.36)
  Power Layer w8: v1(368.4,383) 369.4,384 455.2,384 676.94,605.75 676.94,824.58 698.27,845.91 698.27,846.97 701.77,850.47 v1(701.77,852.36)
Sensor_3_input: J4.3 R15.1 R16.1 TP15.1 | length 583.1
  Top Layer w8: R16.1 317.09,323.66 352.87,323.66 R15.1 R15.1@354.33,324.49 ; TP15.1 360.73,279.16 354.33,285.56 R15.1@354.33,324.49 ; v1(370,310) 372.4,310 366.32,310 354.33,321.99 R15.1@354.33,324.49 ; v1(642,352) 644.33,354.33 671.26,354.33 681.1,364.17 681.1,407.48 667.64,420.94 J4.3
  Power Layer w8: v1(370,310) 372.28,307.72 594.4,307.72 v1@642.28,355.6
Sensor_3_pwr: R15.2 TP17.1 U2.6 | length 770.4
  Top Layer w8: TP17.1 403.54,275.59 403.54,312.78 394.02,322.3 R15.2 414.51,324.8 v1(414.93,325.22) ; v1(739.17,852.36) 739.17,877.95 U2.6
  Power Layer w8: v1(414.93,325.22) 416.21,325.22 691.16,600.17 691.16,806.77 736.75,852.36 v1(739.17,852.36)
SWCLK_NRF: J2.1 U2.17 | length 731.5
  Top Layer w8: J2.1 667.9,577.95 698.72,547.13 704.83,547.13 v3(706.69,545.28) ; U2.17 779.53,1069.67 781.29,1067.91 833.56,1067.91 834.55,1066.93 v1(835.63,1066.93)
  Power Layer w8: v3(706.69,545.28) 707.9,546.48 707.9,676.15 v1(737.2,705.45)
  Bottom Layer w8: v1(737.2,705.45) 773,741.25 773,1011.19 v1@828.74,1066.93
SWDIO_NRF: J2.2 U2.18 | length 738.8
  Top Layer w8: v1(708.66,705.45) 708.21,705 702,705 695.9,698.9 695.9,601.95 719.9,577.95 J2.2 ; U2.18 759.84,1096.69 761.74,1098.58 786.12,1098.58 796.7,1088 v1(836,1088)
  Bottom Layer w8: v1(708.66,705.45) 759,755.79 759,1016.99 830.01,1088 v1(836,1088)
UART_RX_NRF: J2.6 U2.14 | length 432
  Top Layer w8: J2.6 777.4,687.95 826.02,687.95 834.92,696.85 v1(836.61,696.85) ; U2.14 809.01,1003 v1(837,1003)
  Bottom Layer w8: v1(836.61,696.85) 836.61,730.39 815,752 815,981 v1(837,1003)
UART_TX_NRF: J2.5 U2.15 | length 602.2
  Top Layer w8: J2.5 667.9,677.95 677.9,687.95 677.9,706.9 693.95,722.95 753.43,722.95 773.41,702.97 809.97,702.97 v1(813,706) ; U2.15 807.69,1024 v1(837.03,1024)
  Bottom Layer w8: v1(813,706) 813,726 801,738 801,991.75 833.25,1024 v1(837.03,1024)
pads on no net: ANT1.2 J1.3 J1.4 J3.A2 J3.A3 J3.A5 J3.A6 J3.A7 J3.A8 J3.A10 J3.A11 J3.B2 J3.B3 J3.B5 J3.B6 J3.B7 J3.B8 J3.B10 J3.B11 J4.5 J4.6 U2.2 U2.5 U2.13 U2.21 U3.1 U5.15

## Polygon pours and split planes (outlines as drawn)
+GND on Bottom Layer "BOTTOM_GND" (solid, remove dead copper, shelved, pour order 9): 0,236.22 866.14,236.22 866.14,1377.95 0,1377.95
+GND on Ground Layer "GROUND_GND" (solid, remove dead copper, shelved, pour order 5): 0,236.22 866.14,236.22 866.14,1377.95 0,1377.95
+3V3 on Power Layer "POWER_3V3" (solid, remove dead copper, shelved, pour order 10): 0,236.22 866.14,236.22 866.14,1377.95 0,1377.95
+GND on Top Layer "TOP_GND" (solid, remove dead copper, shelved, pour order 12): 0,236.22 866.14,236.22 866.14,1377.95 0,1377.95

## Keep-outs
Keep-Out Layer:
  the board outline again, w12

## Other copper
Multi-Layer:
  pour cut-out: 491.98,1377.73 491.98,1236 759.7,1236 810.88,1236 866,1236 866,1377.73

## Silkscreen, mask and mechanical layers (free items; w line width, h text height)
Top Overlay:
  lines w5: 536,534 536,555
  text "G" at 304.02,963.58 h40
  text "5" at 182.68,956.69 h40
  text "+" at 298.08,752 h40
  text "-" at 249.75,747.05 h40
  text "3" at 383.75,724 h40
  text "D" at 785.34,719 h40
  text "T" at 531.05,666 h40
  text "R" at 835.05,665 h40
  text "r" at 534.05,617 h40
  text "G" at 835.05,615 h40
  text "K" at 533.05,566 h40
  text "D" at 835.05,566 h40
  text "PMIC" at 331.88,468.5 h40
  text "GO" at 10.66,462 h40
  text "-G-" at 316.88,418 h40
  text "CH" at 11.66,415 h40
Bottom Overlay:
  text "RX" at 785.92,840.5 h40
  text "TX" at 691.18,839.52 h40
  text "RST" at 694.02,790.31 h40
  text "GND" at 828.88,789.32 h40
  text "CLK" at 697.28,739.13 h40
  text "DIO" at 811.4,739.13 h40
  text "+" at 599.77,650 h40
  text "-" at 772.09,640 h40
  text "A / D / C / 1" at 64.87,253 h40
  text "I / N / 1" at 111.87,253 h40
  text "P / W / R / 1" at 158.87,253 h40
  text "A / D / C / 2" at 205.87,253 h40
  text "I / N / 2" at 251.87,253 h40
  text "P / W / R / 2" at 298.87,252 h40
  text "A / D / C / 3" at 345.87,252 h40
  text "P / W / R / 3" at 438.87,252 h40
  text "I / N / 3" at 391.87,251 h40
Drill Guide:
  lines w7.87: -3.94,-3.94 -3.94,980.31 980.31,980.31 980.31,-3.94 -3.94,-3.94
Board:
  the board outline again, w7.87
Top Assembly:
  text "2450AT43F0100E" at 556,1269 h40
  text "12pF" at 494,1171 h30
  text "1054500101" at 146,1159 h40
  text "100pF" at 606,1150 h30
  text "0.8pF" at 682,1150 h30
  text "3.9nH" at 791,1150 h30 r90
  text "ABM11W" at 462,1106 h40
  text "12pF" at 444,989 h30
  text "ESD9B5" at 203,976 h30
  text "100nF" at 551,953 h30 r90
  text "BQ29700 / DSER" at 57,944 h40
  text "470R" at 403,925 h30 r90
  text "470R" at 362,924 h30 r90
  text "nRF52811 / -QCAA-R" at 642,918 h40
  text "1uF" at 465,896 h30 r90
  text "15nH" at 512,890 h30 r90
  text "2.2k" at 227,889 h30
  text "470R" at 349,883 h30
  text "330" at 238,843 h30
  text "ECH8693R" at 47,799 h30
  text "100nF" at 218,792 h30
  text "LTST- / C19H / E1WT" at 346,780 h30
  text "BTN" at 711,776 h30
  text "100nF" at 843,771 h30 r90
  text "100nF" at 589,769 h30 r90
  text "10uH" at 466,764 h30 r90
  text "4.7UF" at 541,752 h30 r90
  text "1uF" at 187,733 h30
  text "100nF" at 566,733 h30
  text "4.7k" at 89,732 h30
  text "2.2uH" at 441,698 h30
  text "10K" at 57,682 h30 r90
  text "3k" at 300,650 h30 r90
  text "BQ24074 / RGTR" at 110,628 h40
  text "100k" at 350,606 h30 r90
  text "TPS62 / 172DS" at 389,576 h30
  text "22uF" at 518,561 h30 r90
  text "4.7uF" at 55,550 h30 r90
  text "4.7uF" at 299,541 h30 r90
  text "10uF" at 354,526 h30 r90
  text "470R" at 207,472 h30
  text "LTST-C19" at 78,468 h30
  text "470R" at 210,430 h30
  text "LTST-C19" at 75,418 h30
  text "DNI" at 83,357 h30
  text "DNI" at 221,355 h30
  text "DNI" at 351,355 h30
  text "DNI" at 51.38,324.11 h30 r90
  text "DNI" at 189.38,324.11 h30 r90
  text "DNI" at 324,324 h30 r90
  text "DNI" at 355,320 h30
  text "DNI" at 81,318 h30
  text "DNI" at 220,316 h30

## Text inside footprints (layer, text, board x,y; h text height)
J1: Bottom Overlay "+" at 585.95,289.96 h40 r180; Bottom Overlay "-" at 720.95,286.48 h40 r180